# Altium PCB HV_Module_6W.PCBDOC (part 3 of 4) (continued)
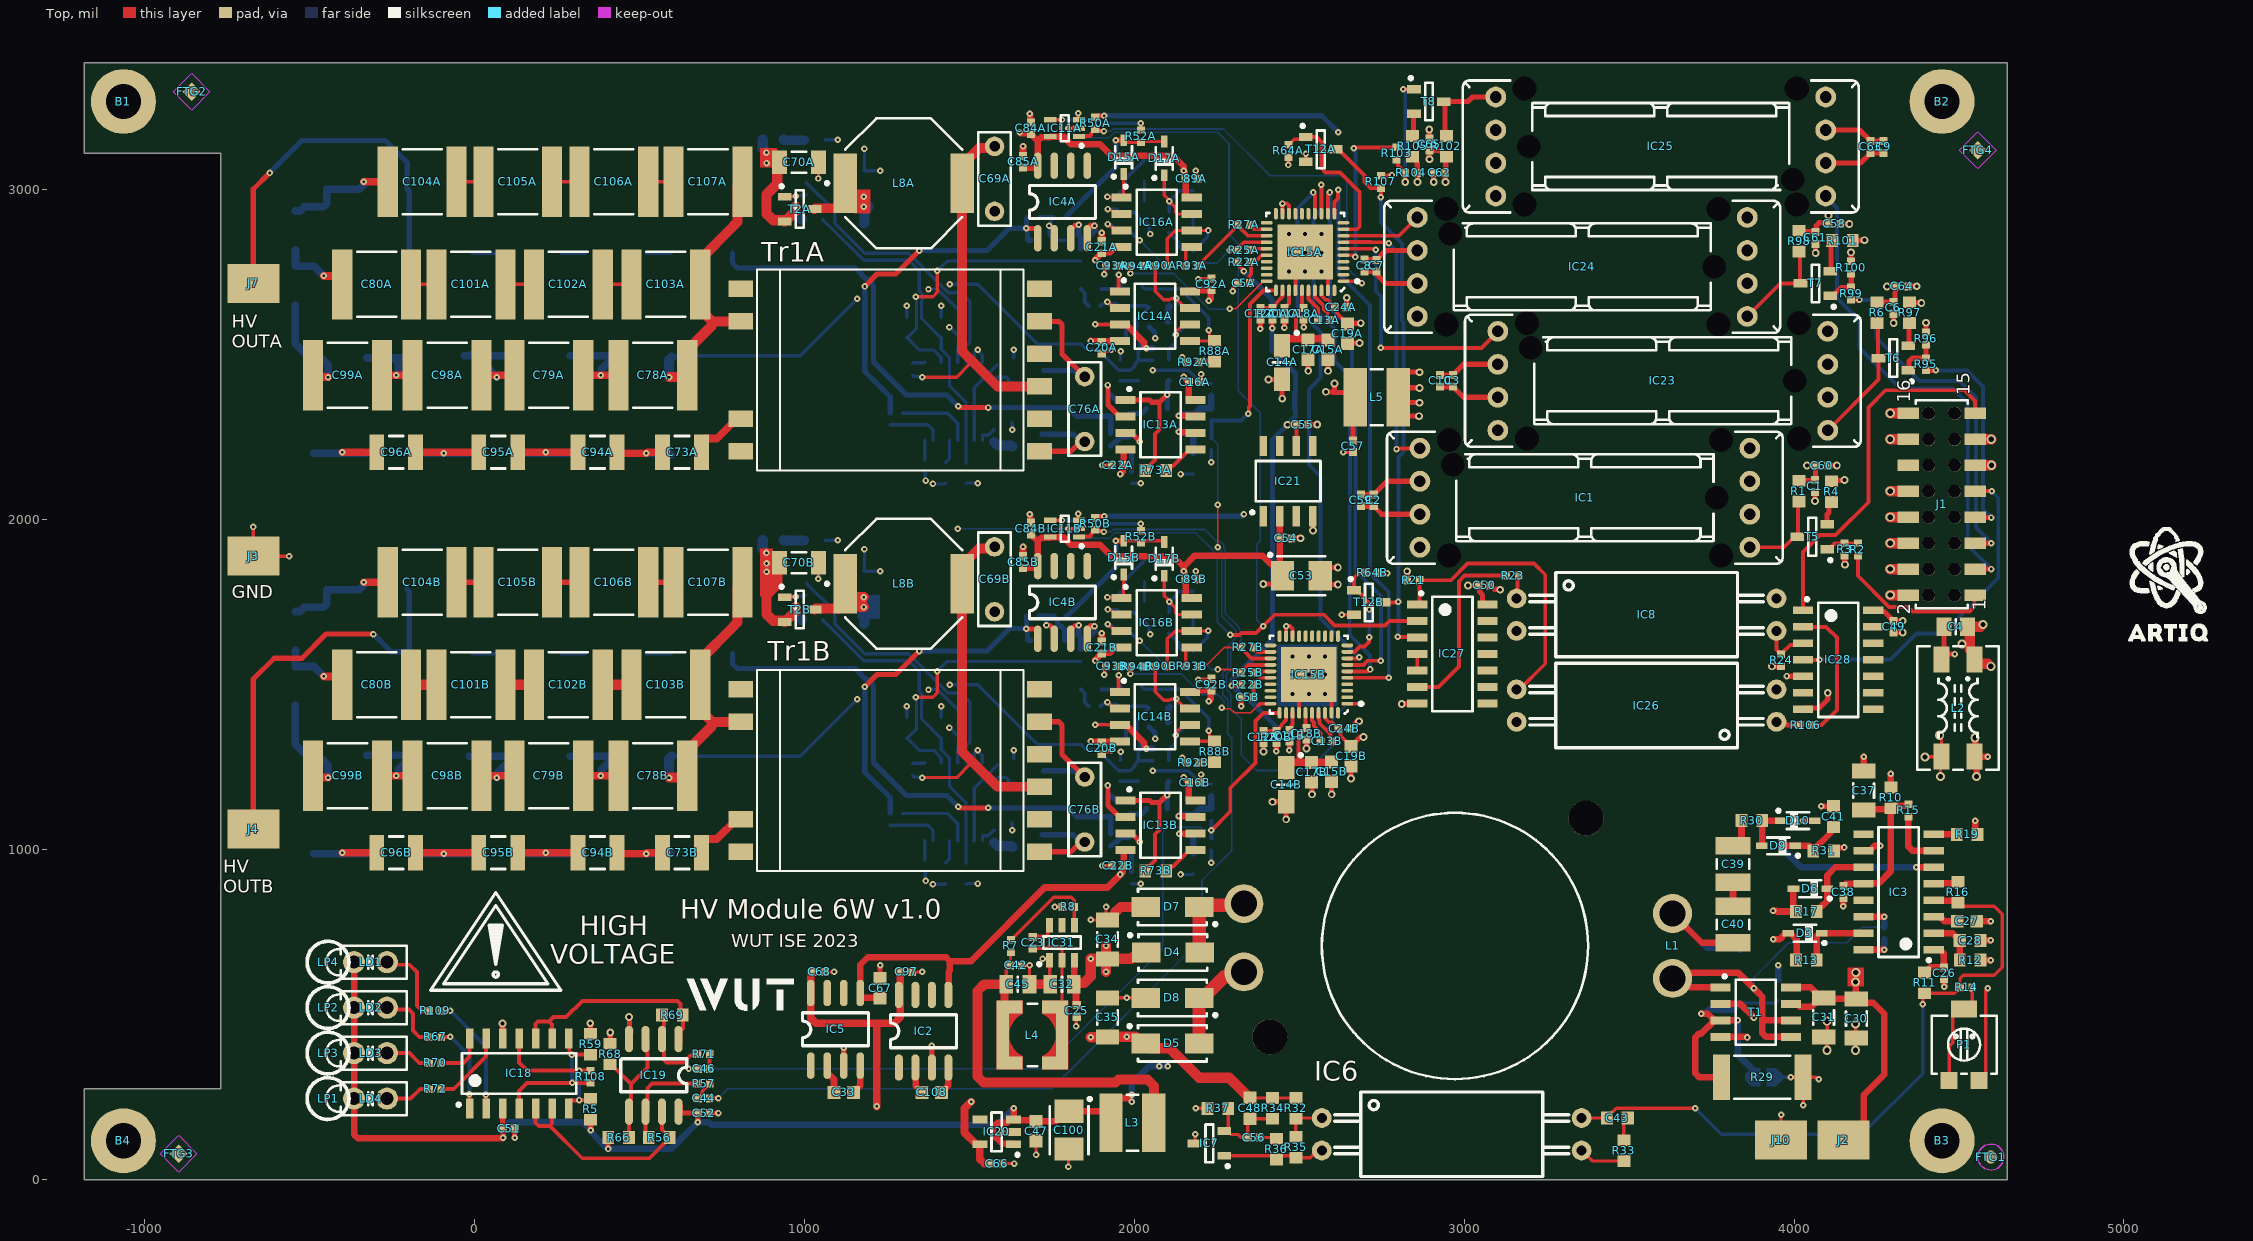
[diagram p0: Top view]
## Nets (pads, with @x,y where several pads share a name; then routed paths per layer and width w, separated by ;. In a path a pad name is that pad's centre, name@x,y a point inside that pad or via, vN(x,y) a via of type N, cw(c..) or ccw(c..) an arc to the next point about the centre after c; other vN are vias at no path point) (continued)
NetC39_2: C39.2 C40.1 | length 72.8
  Top w20: C40.1@3815.13,828.74 C39.2@3815.13,901.57
NetC41_2: C41.2 D9.1 IC3.6 R26.2 R31.2 | length 1111.7
  Top w20: v1(3961.42,1006.97) 3966.1,1011.65 4003.94,1011.65 D9.1@4004.1,1011.81 4004.26,1011.65 4045.6,1011.65 R31.2@4058.24,999.02 ; R31.2@4058.24,997.05 R31.2@4058.24,999.02 ; C41.2@4119.26,1068.9 4118.28,1068.9 4109.57,1060.2 4109.57,1050.35 R31.2@4058.24,999.02 ; v3(4370.08,947.05) IC3.6@4423.39,947.05
  L2 w20: v1(3952.77,649.61) 3952.77,690.35 3984.12,721.7 3984.12,984.26 v1(3961.42,1006.97)
  Bot w20: v1(3952.77,649.61) 3952.77,606.45 R26.2@3952.92,606.3 ; v1(3961.42,1006.97) 4021.34,947.05 v3(4370.08,947.05)
NetC43_1: C43.1 R33.2 | length 71.8
  Top w10: R33.2@3484.25,120.08 3484.25,175.2 C43.1@3496.06,187.01
NetC43_2: C43.2 IC3.4 IC6.4 R11.1 R14.2 R16.2 | length 2070
  Top w10: IC6.4@3356.3,187.01 C43.2@3433.07,187.01 3433.07,187.99 3461.77,216.69 3700.63,216.69 v1(3700.79,216.54) ; v1(4389.76,531.5) 4389.76,558.89 R11.1@4395.83,564.96 4485.99,564.96 4503.12,582.09 R14.2@4503.12,582.87 4503.12,610.24 4512.96,620.08 4606.3,620.08 4630.67,644.45 4630.67,804.37 4606.3,828.74 4508.04,828.74 R16.2@4496.23,840.55 R16.2@4491.54,845.24
  Top w20: IC3.4@4423.39,847.05 4425.2,845.24 R16.2@4491.54,845.24
  Bot w10: v1(3700.79,216.54) 3779.53,137.8 4205.71,137.8 4389.76,321.85 v1(4389.76,531.5)
NetC44_1: C44.1 R57.2 | length 59.8
  Top w10: C44.1@677.68,246.75 690.91,259.98 690.91,267.76 713.9,290.75 R57.2@713.9,291.54
NetC46_1: C46.1 R71.2 | length 45.1
  Top w11.81: C46.1@713.51,336.71 R71.2@713.51,380.71
  Top w15.75: C46.1@713.12,336.32 C46.1@713.51,336.71 ; R71.2@713.51,380.71 R71.2@713.9,381.1
NetC48_1: C48.1 C56.1 IC7.2 R34.1 R37.2 | length 280.8
  Top w10: IC7.2@2273.62,147.64 2278.62,147.64 2285.43,154.45 R37.2@2285.43,216.54 ; IC7.2@2276.12,145.14 2284.98,145.14 2292.71,137.41 2314.41,137.41 2323.14,128.68 2343.76,128.68 C56.1@2344.49,127.95 2344.8,128.27 2344.8,179.12 C48.1@2350.72,185.04 R34.1@2419.62,185.04
NetC56_2: C56.2 R36.1 | length 52.5
  Top w10: C56.2@2379.92,127.95 2427.81,127.95 R36.1@2431.1,124.66
NetC69A_2: C69A.2 L8A.2 R40A.2 Tr1A.3 | length 1171.5
  Top w10: v1(1357.48,2432.48) 1462.09,2432.48 1503.57,2473.96 1516.32,2473.96
  Top w30: C69A.2@1577.2,3131.89 1571.64,3126.33 1530.1,3126.33 1478.77,3075 L8A.2@1478.77,3019.88 1478.77,2511.51 1516.32,2473.96 1585.76,2404.53 Tr1A.3@1713.58,2404.53
  Bot w10: R40A.2@1328.74,2437.67 1332.08,2434.33 1355.63,2434.33 v1(1357.48,2432.48)
NetC69B_2: C69B.2 L8B.2 R40B.2 Tr1B.3 | length 1171.5
  Top w10: v1(1357.48,1218.9) 1462.09,1218.9 1503.57,1260.38 1516.32,1260.38
  Top w30: C69B.2@1577.2,1918.31 1571.64,1912.75 1530.1,1912.75 1478.77,1861.42 L8B.2@1478.77,1806.3 1478.77,1297.93 1516.32,1260.38 1585.76,1190.94 Tr1B.3@1713.58,1190.94
  Bot w10: R40B.2@1328.74,1224.09 1332.08,1220.75 1355.63,1220.75 v1(1357.48,1218.9)
NetC71A_2: C71A.2 R110A.1 | length 64.6
  Bot w30: R110A.1@937.01,3152.56 937.01,3152.13 938.74,3150.39 C71A.2@1000.43,3150.39
NetC71B_2: C71B.2 R110B.1 | length 64.6
  Bot w30: R110B.1@937.01,1938.98 937.01,1938.54 938.74,1936.81 C71B.2@1000.43,1936.81
NetC72A_2: C72A.2 C75A.1 IC10A.3 IC10A.12 R38A.2 | length 1003.2
  Bot w10: R38A.2@1056.1,2911.22 1056.1,2909.25 1068.82,2896.54 1070.79,2896.54 1180.91,2786.42 1317.37,2786.42 1348.7,2755.08 1348.7,2693.73 1358.43,2684.01 1358.43,2667.57 1355.71,2664.85 1355.71,2610.24 1414.57,2551.38 C75A.1@1415.55,2551.38 1415.55,2516.34 1440.55,2491.34 IC10A.12@1440.55,2477.56 1440.55,2406.5 1490.55,2356.5 IC10A.3@1490.55,2241.34 C72A.2@1490.55,2171.85
NetC72B_2: C72B.2 C75B.1 IC10B.3 IC10B.12 R38B.2 | length 1003.2
  Bot w10: R38B.2@1056.1,1697.64 1056.1,1695.67 1068.82,1682.95 1070.79,1682.95 1180.91,1572.83 1317.37,1572.83 1348.7,1541.5 1348.7,1480.14 1358.43,1470.42 1358.43,1453.99 1355.71,1451.27 1355.71,1396.65 1414.57,1337.8 C75B.1@1415.55,1337.8 1415.55,1302.76 1440.55,1277.76 IC10B.12@1440.55,1263.98 1440.55,1192.91 1490.55,1142.91 IC10B.3@1490.55,1027.76 C72B.2@1490.55,958.27
NetC73A_2: C73A.2 C94A.1 D1A.2 D2A.1 D12A.2 D13A.1 | length 293.4
  Top w23.62: C94A.1@433.07,2204.72 436.02,2201.77 v1(522.05,2201.77) 525,2204.72 C73A.2@570.87,2204.72
  Bot w23.62: D12A.2@446.58,2201.77 v1(522.05,2201.77) 592.27,2201.77 D1A.2@597.52,2196.52
NetC73B_2: C73B.2 C94B.1 D1B.2 D2B.1 D12B.2 D13B.1 | length 291.2
  Top w23.62: C94B.1@433.07,991.14 436.02,988.19 v1(522.05,988.19) 525,991.14 C73B.2@570.87,991.14
  Bot w23.62: D12B.2@446.58,988.19 v1(522.05,988.19) D13B.1@597.52,988.19
NetC74A_1: C74A.1 IC10A.8 | length 58.9
  Bot w10: C74A.1@1365.55,2182.48 IC10A.8@1365.55,2241.34
NetC74B_1: C74B.1 IC10B.8 | length 58.9
  Bot w10: C74B.1@1365.55,968.9 IC10B.8@1365.55,1027.76
NetC76A_1: C76A.1 T4A.3 Tr1A.1 | length 287
  Top w15.75: Tr1A.1@1713.58,2207.68 1809.15,2207.68 1838.67,2237.2 C76A.1@1850.39,2237.2
  Bot w15.75: T4A.3@1721.54,2259.18 1816.7,2259.18 1838.67,2237.2 C76A.1@1850.39,2237.2
NetC76A_2: C76A.2 T3A.3 Tr1A.5 | length 391.3
  Top w15.75: Tr1A.5@1713.58,2601.38 1772.46,2601.38 1781.69,2592.15 1781.69,2502.76 C76A.2@1850.39,2434.06
  Bot w15.75: T3A.3@1725.39,2452.95 1819.78,2452.95 1838.67,2434.06 C76A.2@1850.39,2434.06
NetC76B_1: C76B.1 T4B.3 Tr1B.1 | length 287
  Top w15.75: Tr1B.1@1713.58,994.09 1809.15,994.09 1838.67,1023.62 C76B.1@1850.39,1023.62
  Bot w15.75: T4B.3@1721.54,1045.6 1816.7,1045.6 1838.67,1023.62 C76B.1@1850.39,1023.62
NetC76B_2: C76B.2 T3B.3 Tr1B.5 | length 391.3
  Top w15.75: Tr1B.5@1713.58,1387.8 1772.46,1387.8 1781.69,1378.57 1781.69,1289.18 C76B.2@1850.39,1220.47
  Bot w15.75: T3B.3@1725.39,1239.37 1819.78,1239.37 1838.67,1220.47 C76B.2@1850.39,1220.47
NetC77A_2: C77A.2 IC10A.11 R54A.2 | length 863.8
  Top w10: v1(1338.58,2675.79) 1338.98,2676.18 1390.55,2676.18 1403.74,2689.37 v1(1403.74,2755.08)
  Bot w10: C77A.2@1311.02,2551.38 C77A.2@1312.01,2551.38 ; v1(1338.58,2675.79) 1338.58,2673.17 1340.71,2671.04 1340.71,2580.08 C77A.2@1312.01,2551.38 ; v1(1403.74,2755.08) 1433.07,2784.42 R54A.2@1838.58,2784.42 ; IC10A.11@1415.55,2477.56 1415.55,2491.34 1392.21,2514.68 1348.7,2514.68 C77A.2@1312.01,2551.38
NetC77B_2: C77B.2 IC10B.11 R54B.2 | length 863.8
  Top w10: v1(1338.58,1462.2) 1338.98,1462.6 1390.55,1462.6 1403.74,1475.79 v1(1403.74,1541.5)
  Bot w10: C77B.2@1311.02,1337.8 C77B.2@1312.01,1337.8 ; v1(1338.58,1462.2) 1338.58,1459.58 1340.71,1457.46 1340.71,1366.5 C77B.2@1312.01,1337.8 ; v1(1403.74,1541.5) 1433.07,1570.83 R54B.2@1838.58,1570.83 ; IC10B.11@1415.55,1263.98 1415.55,1277.76 1392.21,1301.1 1348.7,1301.1 C77B.2@1312.01,1337.8
NetC78A_1: C78A.1 C82A.2 C103A.1 C107A.1 D1A.1 D13A.2 D16A.1 R89A.2 R119A.2 Tr1A.8 | length 2831.1
  Top w30: v1(590.55,2432.48) 640.16,2432.48 C78A.1@645.67,2437.99 645.67,2513.78 721.46,2589.57 721.46,2601.38 ; Tr1A.8@808.07,2601.38 721.46,2601.38 ; C107A.1@812.99,3024.61 797.48,3009.09 797.48,2903.05 787.4,2892.97 787.4,2891.73 685.04,2789.37 C103A.1@685.04,2713.58 685.04,2637.8 721.46,2601.38
  L2 w10: v1(1161.42,2670.28) 1232.82,2670.28 1287.36,2724.82 1401.85,2724.82 1412.5,2714.17 v1(1441.58,2714.17)
  Bot w10: D1A.1@597.52,2491.8 602.77,2497.05 988.19,2497.05 v1(1161.42,2670.28) ; v1(1441.58,2714.17) 1525.83,2714.17 1707.04,2532.97 1838.58,2532.97 1855.21,2516.34 1890.16,2516.34 1953.08,2453.42 1988.98,2453.42 2001.61,2466.06 2001.61,2471.03 2012.47,2481.89 D16A.1@2012.47,2484.45 ; R119A.2@1986.17,2648.48 2036.82,2648.48 2041.4,2643.9 C82A.2@2045.98,2643.9 2008.27,2606.19 2008.27,2557.32 2017.45,2548.15 2017.45,2515.28 2012.47,2510.3 D16A.1@2012.47,2484.45 ; R89A.2@2057.09,2483.18 2056.45,2483.81 2013.1,2483.81 D16A.1@2012.47,2484.45
  Bot w30: v1(590.55,2432.48) D1A.1@590.55,2484.83 ; D1A.1@590.55,2484.83 D1A.1@597.52,2491.8 D1A.1@590.55,2484.83
NetC78A_2: C78A.2 C79A.1 D2A.2 D12A.1 D19A.2 D25A.1 | length 338.2
  Top w23.62: C79A.1@330.71,2437.99 v1(383.86,2437.99) C78A.2@437.01,2437.99
  Bot w23.62: D19A.2@291.54,2497.05 D2A.2@426.9,2497.05 ; v1(383.86,2437.99) 386.02,2440.16 386.02,2456.17 D2A.2@426.9,2497.05 ; D12A.1@446.58,2497.05 D2A.2@426.9,2497.05
NetC78B_1: C78B.1 C82B.2 C103B.1 C107B.1 D1B.1 D13B.2 D16B.1 R89B.2 R119B.2 Tr1B.8 | length 2824.3
  Top w30: v1(590.55,1218.9) 640.16,1218.9 C78B.1@645.67,1224.41 645.67,1300.2 721.46,1375.98 721.46,1387.8 ; Tr1B.8@808.07,1387.8 721.46,1387.8 ; C107B.1@812.99,1811.02 797.48,1795.51 797.48,1689.47 787.4,1679.39 787.4,1678.15 685.04,1575.79 C103B.1@685.04,1500 685.04,1424.21 721.46,1387.8
  L2 w10: v1(1161.42,1456.69) 1232.82,1456.69 1260.83,1484.7 1348.86,1484.7 1375.39,1511.23 1401.85,1511.23 1412.5,1500.59 v1(1441.58,1500.59)
  Bot w10: D13B.2@597.52,1283.46 988.19,1283.46 v1(1161.42,1456.69) ; v1(1441.58,1500.59) 1525.83,1500.59 1707.04,1319.39 1838.58,1319.39 1855.21,1302.76 1890.16,1302.76 1953.08,1239.84 1988.98,1239.84 2001.61,1252.47 2001.61,1257.45 2012.47,1268.31 D16B.1@2012.47,1270.87 ; R119B.2@1986.17,1434.9 2036.82,1434.9 2041.4,1430.32 C82B.2@2045.98,1430.32 2008.27,1392.61 2008.27,1343.74 2017.45,1334.57 2017.45,1301.69 2012.47,1296.72 D16B.1@2012.47,1270.87 ; R89B.2@2057.09,1269.6 2056.45,1270.23 2013.1,1270.23 D16B.1@2012.47,1270.87
  Bot w30: v1(590.55,1218.9) 590.55,1276.49 D13B.2@597.52,1283.46
NetC78B_2: C78B.2 C79B.1 D2B.2 D12B.1 D19B.2 D25B.1 | length 397.3
  Top w23.62: C79B.1@330.71,1224.41 v1(383.86,1224.41) C78B.2@437.01,1224.41
  Bot w23.62: D19B.2@291.54,1283.46 D2B.2@426.9,1283.46 ; v1(383.86,1224.41) 386.02,1226.57 386.02,1242.59 D2B.2@426.9,1283.46 ; D2B.2@426.9,1283.46 D12B.1@446.58,1283.46 ; D2B.2@426.9,1283.46 D12B.1@446.58,1283.46 ; D2B.2@426.9,1283.46 D12B.1@446.58,1283.46 ; D2B.2@426.9,1283.46 D12B.1@446.58,1283.46
NetC79A_2: C79A.2 C98A.1 D20A.1 D21A.2 D26A.2 D27A.1 | length 380.1
  Top w23.62: C98A.1@22.19,2437.99 C79A.2@122.05,2437.99
  Bot w23.62: D21A.2@-13.78,2497.05 -29.53,2497.05 D27A.1@-9.84,2497.05 ; D27A.1@-9.84,2500 2.95,2500 45.63,2457.33 45.63,2455.75 v1(68.9,2432.48) ; D27A.1@2.95,2497.05 D20A.1@140.11,2497.05
NetC79B_2: C79B.2 C98B.1 D20B.1 D21B.2 D26B.2 D27B.1 | length 339.7
  Top w23.62: C98B.1@22.19,1224.41 C79B.2@122.05,1224.41
  Bot w23.62: D21B.2@-13.78,1283.46 D26B.2@120.43,1283.46 ; v1(68.9,1218.9) 68.9,1231.93 D26B.2@120.43,1283.46 ; D20B.1@140.11,1283.46 D26B.2@120.43,1283.46
NetC80A_1: C80A.1 C101A.2 | length 76.8
  Top w10: C80A.1@-190.94,2713.58 C101A.2@-114.17,2713.58
NetC80A_2: C80A.2 R41A.2 R42A.1 | length 219.3
  Top w23.62: v1(-455.71,2739.17) -418.31,2739.17 -399.61,2720.47 C80A.2@-399.61,2713.58
  Bot w23.62: R42A.1@-541.34,2817.91 -541.87,2817.38 -541.87,2769.24 R41A.2@-542.41,2768.7 -485.24,2768.7 v1(-455.71,2739.17)
NetC80B_1: C80B.1 C101B.2 | length 76.8
  Top w31.5: C80B.1@-190.94,1500 C101B.2@-114.17,1500
NetC80B_2: C80B.2 R41B.2 R42B.1 | length 219.3
  Top w23.62: v1(-455.71,1525.59) -418.31,1525.59 -399.61,1506.89 C80B.2@-399.61,1500
  Bot w23.62: R42B.1@-541.34,1604.33 -541.87,1603.8 -541.87,1555.65 R41B.2@-542.41,1555.12 -485.24,1555.12 v1(-455.71,1525.59)
NetC81A_2: C81A.2 IC10A.5 | length 71.7
  Bot w10: C81A.2@1429.13,2174.41 1440.55,2185.83 IC10A.5@1440.55,2241.34
NetC81B_2: C81B.2 IC10B.5 | length 71.7
  Bot w10: C81B.2@1429.13,960.83 1440.55,972.24 IC10B.5@1440.55,1027.76
NetC86A_1: C86A.1 C87A.1 D15A.1 IC16A.1 | length 289.2
  Top w10: v1(1919.29,2979.13) 1920.57,2977.85 1960.92,2977.85 IC16A.1@1962.2,2976.57 1968.11,2982.48 D15A.1@1968.11,3048.03
  Bot w10: v1(1919.29,2979.13) 1921.91,2979.13 1923.96,2981.18 1944.57,2981.18 C87A.1@1958.27,2994.88 1959.25,2994.88 1972.95,3008.58 1972.95,3031.95 2030.31,3089.32 C86A.1@2031.3,3089.32
NetC86A_2: C86A.2 R62A.1 | length 59.8
  Bot w10: R62A.1@2031.3,2966.54 C86A.2@2031.3,3026.32
NetC86B_1: C86B.1 C87B.1 D15B.1 IC16B.1 | length 289.2
  Top w10: v1(1919.29,1765.55) 1920.57,1764.27 1960.92,1764.27 IC16B.1@1962.2,1762.99 1968.11,1768.9 D15B.1@1968.11,1834.45
  Bot w10: v1(1919.29,1765.55) 1921.91,1765.55 1923.96,1767.6 1944.57,1767.6 C87B.1@1958.27,1781.3 1959.25,1781.3 1972.95,1795 1972.95,1818.37 2030.31,1875.73 C86B.1@2031.3,1875.73
NetC86B_2: C86B.2 R62B.1 | length 59.8
  Bot w10: R62B.1@2031.3,1752.95 C86B.2@2031.3,1812.74
NetC87A_2: C87A.2 IC16A.2 R62A.2 R65A.1 | length 835.9
  Top w10: v1(1920.47,2941.93) 1922.33,2940.08 1930,2940.08 1943.5,2926.57 IC16A.2@1962.2,2926.57
  L2 w10: v1(2048.94,2866.26) 2048.94,2665.04 2044.13,2660.23 2044.13,2541.51 2057.29,2528.35 2057.29,2511.91 2056.45,2511.08 v1(2056.45,2452.95)
  Bot w10: v1(1920.47,2941.93) 1948.23,2941.93 C87A.2@1958.27,2931.89 2000.98,2931.89 2029.33,2903.54 R62A.2@2031.3,2903.54 2033.27,2903.54 2045.98,2890.83 2045.98,2871.84 2048.94,2868.88 v1(2048.94,2866.26) ; v1(2056.45,2452.95) 2163.46,2452.95 2203.22,2413.19 R65A.1@2234.25,2413.19
NetC87B_2: C87B.2 IC16B.2 R62B.2 R65B.1 | length 856.2
  Top w10: v1(1920.47,1728.35) 1922.33,1726.49 1930,1726.49 1943.5,1712.99 IC16B.2@1962.2,1712.99
  L2 w10: v1(2048.94,1652.68) 2048.94,1445.35 2086.61,1407.67 2086.61,1269.53 v1(2056.45,1239.37)
  Bot w10: v1(1920.47,1728.35) 1948.23,1728.35 C87B.2@1958.27,1718.31 2000.98,1718.31 2029.33,1689.96 R62B.2@2031.3,1689.96 2033.27,1689.96 2045.98,1677.24 2045.98,1658.26 2048.94,1655.3 v1(2048.94,1652.68) ; v1(2056.45,1239.37) 2163.46,1239.37 2203.22,1199.61 R65B.1@2234.25,1199.61
NetC90A_1: C90A.1 C91A.1 D17A.1 IC16A.7 | length 296.4
  Top w10: D17A.1@2091.14,3044.09 2091.14,2983.19 2106.1,2968.23 v1(2106.1,2965.61) 2125.98,2945.73 2125.98,2932.43 2131.84,2926.57 IC16A.7@2174.8,2926.57
  Bot w10: C91A.1@2105.12,2932.68 2106.1,2933.66 v1(2106.1,2965.61) 2137.6,2997.11 C90A.1@2178.74,2997.11
NetC90A_2: C90A.2 R84A.1 | length 57.2
  Bot w10: C90A.2@2177.3,2932.68 C90A.2@2178.74,2934.12 R84A.1@2178.74,2878.94
NetC90B_1: C90B.1 C91B.1 D17B.1 IC16B.7 | length 296.4
  Top w10: D17B.1@2091.14,1830.51 2091.14,1769.61 2106.1,1754.65 v1(2106.1,1752.03) 2125.98,1732.15 2125.98,1718.85 2131.84,1712.99 IC16B.7@2174.8,1712.99
  Bot w10: C91B.1@2105.12,1719.09 2106.1,1720.08 v1(2106.1,1752.03) 2137.6,1783.52 C90B.1@2178.74,1783.52
NetC90B_2: C90B.2 R84B.1 | length 57.2
  Bot w10: C90B.2@2177.3,1719.09 C90B.2@2178.74,1720.53 R84B.1@2178.74,1665.35
NetC91A_2: C91A.2 IC16A.6 R84A.2 R90A.1 | length 401.5
  Top w10: R90A.1@2100.79,2769.69 2100.79,2852.57 2124.79,2876.57 IC16A.6@2174.8,2876.57 2175,2876.77 2224.21,2876.77 v1(2224.41,2876.97)
  Bot w10: C91A.2@2105.12,2869.69 2106.1,2869.69 2134.92,2840.87 2134.92,2827.28 2140.78,2821.42 2173.26,2821.42 R84A.2@2178.74,2815.94 2180.71,2815.94 2222.56,2857.79 2222.56,2875.12 v1(2224.41,2876.97)
NetC91B_2: C91B.2 IC16B.6 R84B.2 R90B.1 | length 401.5
  Top w10: R90B.1@2100.79,1556.1 2100.79,1638.99 2124.79,1662.99 IC16B.6@2174.8,1662.99 2175,1663.19 2224.21,1663.19 v1(2224.41,1663.39)
  Bot w10: C91B.2@2105.12,1656.1 2106.1,1656.1 2134.92,1627.28 2134.92,1613.7 2140.78,1607.84 2173.26,1607.84 R84B.2@2178.74,1602.36 2180.71,1602.36 2222.56,1644.21 2222.56,1661.53 v1(2224.41,1663.39)
NetC94A_2: C94A.2 C95A.1 D19A.1 D20A.2 D25A.2 D26A.1 | length 334.3
  Top w23.62: C95A.1@132.07,2204.72 v1(216.54,2204.72) C94A.2@314.96,2204.72
  Bot w23.62: D20A.2@140.11,2201.77 D19A.1@291.54,2201.77
NetC94B_2: C94B.2 C95B.1 D19B.1 D20B.2 D25B.2 D26B.1 | length 337.3
  Top w23.62: C95B.1@132.07,991.14 v1(216.54,991.14) C94B.2@314.96,991.14
  Bot w23.62: D20B.2@140.11,988.19 v1@216.54,988.19 ; v1(216.54,991.14) v1@216.54,988.19 ; D19B.1@291.54,988.19 v1@216.54,988.19
NetC95A_2: C95A.2 C96A.1 D21A.1 D22A.2 D27A.2 D28A.1 | length 348.6
  Top w23.62: C96A.1@-177.17,2204.72 C95A.2@13.96,2204.72
  Bot w23.62: D22A.2@-171.26,2201.77 v1(-92.52,2201.77) D21A.1@-13.78,2201.77
NetC95B_2: C95B.2 C96B.1 D21B.1 D22B.2 D27B.2 D28B.1 | length 348.6
  Top w23.62: C96B.1@-177.17,991.14 C95B.2@13.96,991.14
  Bot w23.62: D22B.2@-171.26,988.19 v1(-92.52,988.19) D21B.1@-13.78,988.19
NetC96A_2: C96A.2 D23A.1 D24A.2 D29A.2 D30A.1 | length 269.9
  Top w23.62: v1(-399.61,2204.72) C96A.2@-295.28,2204.72
  Bot w23.62: D24A.2@-486.22,2201.77 v1@-399.61,2201.77 ; v1(-399.61,2204.72) v1@-399.61,2201.77 ; D23A.1@-324.8,2204.72 -327.76,2201.77 v1@-399.61,2201.77
NetC96B_2: C96B.2 D23B.1 D24B.2 D29B.2 D30B.1 | length 267
  Top w23.62: v1(-399.61,991.14) C96B.2@-295.28,991.14
  Bot w23.62: D24B.2@-486.22,988.19 -327.76,988.19 D23B.1@-324.8,991.14
NetC98A_2: C98A.2 C99A.1 D22A.1 D23A.2 D28A.2 D29A.1 | length 315
  Top w23.62: C99A.1@-279.53,2437.99 v1(-236.22,2437.99) C98A.2@-186.47,2437.99
  Bot w23.62: D29A.1@-324.8,2490.16 -314.96,2490.16 -244.15,2490.16 ; v1(-236.22,2437.99) -230.32,2443.9 -230.32,2476.32 -244.15,2490.16 ; D28A.2@-167.32,2500 -187.01,2500 -196.85,2490.16 -244.15,2490.16
NetC98B_2: C98B.2 C99B.1 D22B.1 D23B.2 D28B.2 D29B.1 | length 345.3
  Top w23.62: C99B.1@-279.53,1224.41 v1(-236.22,1224.41) C98B.2@-186.47,1224.41
  Bot w23.62: D23B.2@-324.8,1286.42 -174.21,1286.42 D22B.1@-171.26,1283.46 -190.94,1283.46 -230.32,1244.09 -230.32,1230.31 v1(-236.22,1224.41)
NetC99A_2: C99A.2 D24A.1 D30A.2 R41A.1 | length 327.6
  Top w23.62: C99A.2@-488.19,2437.99 -482.68,2432.48 v1(-442.91,2432.48)
  Bot w23.62: R41A.1@-542.41,2650.59 -542.41,2533.55 -505.91,2497.05 D24A.1@-486.22,2497.05 -470.47,2497.05 -442.91,2469.49 v1(-442.91,2432.48)
NetC99B_2: C99B.2 D24B.1 D30B.2 R41B.1 | length 327.6
  Top w23.62: C99B.2@-488.19,1224.41 -482.68,1218.9 v1(-442.91,1218.9)
  Bot w23.62: R41B.1@-542.41,1437.01 -542.41,1319.97 -505.91,1283.46 D24B.1@-486.22,1283.46 -470.47,1283.46 -442.91,1255.91 v1(-442.91,1218.9)
NetC101A_1: C101A.1 C102A.2 | length 86.6
  Top w10: C101A.1@94.49,2713.58 C102A.2@181.1,2713.58
NetC101B_1: C101B.1 C102B.2 | length 86.6
  Top w31.5: C101B.1@94.49,1500 C102B.2@181.1,1500
NetC102A_1: C102A.1 C103A.2 | length 86.6
  Top w10: C102A.1@389.76,2713.58 C103A.2@476.38,2713.58
NetC102B_1: C102B.1 C103B.2 | length 86.6
  Top w31.5: C102B.1@389.76,1500 C103B.2@476.38,1500
NetC104A_1: C104A.1 C105A.2 | length 80.9
  Top w10: C104A.1@-53.15,3024.61 C105A.2@27.74,3024.61
NetC104A_2: C104A.2 R42A.2 R43A.1 | length 347.3
  Top w23.62: v1(-334.65,3024.61) C104A.2@-261.81,3024.61
  Bot w23.62: R42A.2@-541.34,2936.02 -527.56,2936.02 -514.76,2948.82 -455.71,2948.82 -446.85,2957.68 R43A.1@-446.85,3001.97 -348.48,3001.97 -334.65,3015.81 v1(-334.65,3024.61)
NetC104B_1: C104B.1 C105B.2 | length 80.9
  Top w15.75: C104B.1@-53.15,1811.02 C105B.2@27.74,1811.02
NetC104B_2: C104B.2 R42B.2 R43B.1 | length 347.3
  Top w23.62: v1(-334.65,1811.02) C104B.2@-261.81,1811.02
  Bot w23.62: R42B.2@-541.34,1722.44 -527.56,1722.44 -514.76,1735.24 -455.71,1735.24 -446.85,1744.09 R43B.1@-446.85,1788.39 -348.48,1788.39 -334.65,1802.22 v1(-334.65,1811.02)
NetC105A_1: C105A.1 C106A.2 | length 82.5
  Top w10: C105A.1@236.4,3024.61 C106A.2@318.9,3024.61
NetC105B_1: C105B.1 C106B.2 | length 82.5
  Top w15.75: C105B.1@236.4,1811.02 C106B.2@318.9,1811.02
NetC106A_1: C106A.1 C107A.2 | length 90.7
  Top w10: C106A.1@527.56,3024.61 594.49,3024.61 604.33,3034.45 C107A.2@604.33,3024.61
NetC106B_1: C106B.1 C107B.2 | length 76.8
  Top w15.75: C106B.1@527.56,1811.02 C107B.2@604.33,1811.02
NetC108_1: C108.1 IC2.4 | length 83.7
  Top w20: C108.1@1416.54,264.94 1436.24,284.65 1436.24,339.36 IC2.4@1437.01,340.13
NetC108_2: C108.2 IC2.2 | length 83.7
  Top w20: IC2.2@1337.01,340.13 1337.77,339.36 1337.77,284.65 C108.2@1357.48,264.94
NetD3_1: D3.1 IC3.15 R13.1 | length 218.9
  Top w20: R13.1@4069.06,665.35 4069.06,739.25 4076.86,747.05 D3.1@4084.42,747.05 IC3.15@4210.8,747.05
NetD3_2: D3.2 R13.2 T1.2 | length 531.3
  Top w20: T1.2@3777.72,532.87 3838.24,532.87 3878.71,492.4 v1(3878.71,491.06) ; v1(3936.85,728.35) 3955.8,728.35 3974.5,747.05 D3.2@3982.06,747.05 3989.62,747.05 4008.32,728.35 4008.32,667.6 R13.2@4006.07,665.35
  L2 w20: v1(3878.71,491.06) 3903.55,515.91 3903.55,695.05 v1(3936.85,728.35)
NetD4_2: D4.2 D7.1 L9.2 | length 278.4
  Top w40: D4.2@2198.52,688.98 2197.69,689.81 2197.69,825.93 D7.1@2196.85,826.77 2201.77,831.69 2327.76,831.69 L9.2@2332.68,836.61
NetD5_2: D5.2 D8.1 L9.1 | length 306.2
  Top w40: D5.2@2196.85,413.39 D8.1@2196.85,551.18 2209.65,551.18 2273.44,614.98 2317.73,614.98 L9.1@2332.68,629.92
NetD6_1: D6.1 IC3.11 R17.1 | length 244.1
  Top w20: R17.1@4069.06,812.99 4069.06,814.96 4086.87,832.77 4088.84,832.77 4100.56,844.49 D6.1@4100.56,881.89 4100.56,922.41 4125.2,947.05 IC3.11@4210.8,947.05
NetD6_2: D6.2 R17.2 T1.4 | length 631.6
  Top w20: T1.4@3777.72,432.87 3856.59,432.87 v1(3858.27,431.2) ; v1(3936.42,815.59) 3946.85,815.59 3949.44,812.99 3998.2,812.99 R17.2@4006.07,812.99 ; R17.2@3998.2,822.83 D6.2@3998.2,881.89
  L2 w20: v1(3858.27,431.2) 3853.71,435.76 3853.71,680.56 3887.8,714.65 3887.8,756.53 3936.42,805.15 v1(3936.42,815.59)
NetD9_2: D9.2 D10.1 R30.2 | length 135.7
  Top w20: D9.2@3901.74,1011.81 3903.55,1011.81 3903.71,1011.97 R30.2@3903.71,1088.58 D10.1@3960.8,1088.58
NetD11A_1: D11A.1 L8A.1 T2A.3 | length 357.2
  Top w30: T2A.3@1031.92,2941.73 1034.52,2944.33 1104.01,2944.33 1124.44,2964.76 L8A.1@1124.44,2986.97 ; L8A.1@1144.87,3000.92 L8A.1@1124.44,3019.88 1124.44,2988.67 1133.97,2979.13 1165.98,2979.13 ; L8A.1@1151.48,2980.96 1151.43,2980.2 1151.43,2979.28 1151.43,2966.85 1160.22,2958.06
  Bot w30: v1(1180.91,2979.13) v1(1180.91,2949.28) 1195.87,2949.28 1182.63,2936.04 1182.63,2899.95 D11A.1@1181.1,2898.43
NetD11B_1: D11B.1 L8B.1 T2B.3 | length 411
  Top w30: T2B.3@1031.92,1728.15 1034.52,1730.75 1104.01,1730.75 1124.44,1751.18 L8B.1@1124.44,1773.39 ; L8B.1@1144.87,1787.33 L8B.1@1124.44,1806.3 1124.44,1775.08 1133.97,1765.55 1165.98,1765.55 ; L8B.1@1151.43,1765.55 1165.98,1765.55 ; L8B.1@1151.48,1767.38 1151.43,1766.62 1151.43,1765.69 1151.43,1753.26 1160.22,1744.48 ; 1160.25,1744.44 1169.01,1735.69 v1(1180.91,1735.7) ; v1(1180.91,1765.55) 1165.98,1765.55
  Bot w30: v1(1180.91,1765.55) v1(1180.91,1735.7) 1195.87,1735.7 1182.63,1722.46 1182.63,1686.37 D11B.1@1181.1,1684.84
NetD14A_1: D14A.1 IC4A.1 R49A.1 R51A.1 | length 1121.4
  Top w15.75: v1(1183.5,2707.28) 1220.9,2744.69 1277.45,2744.69 v1(1348.7,2815.94) ; v1(1673.23,2883.97) 1674.27,2882.93 1704.26,2882.93 1708.07,2879.11 IC4A.1@1708.07,2853.35
  Bot w15.75: v1(1183.5,2707.28) 1183.5,2680.32 1184.13,2679.69 1184.13,2660.87 1183.5,2660.23 1183.5,2449.5 1260.83,2372.17 R49A.1@1260.83,2324.8 ; v1(1348.7,2815.94) 1554.25,2815.94 1622.27,2883.97 v1(1673.23,2883.97) ; R51A.1@1676.8,2916.34 1673.98,2913.52 1673.98,2884.72 v1(1673.23,2883.97) ; D14A.1@1687.2,2847.44 1679.33,2847.44 1677.36,2849.41 1677.36,2878.77 1673.23,2882.9 v1(1673.23,2883.97)
NetD14A_2: D14A.2 IC4A.2 R51A.2 R53A.1 | length 154.6
  Bot w10: R53A.1@1755.54,2916.34 1749.13,2909.92 1749.13,2900.45 1742.13,2893.45 v1(1742.13,2890.83) 1742.13,2862.83 1757.51,2847.44 D14A.2@1789.57,2847.44
  Bot w15.75: R51A.2@1713.81,2916.34 R53A.1@1755.54,2916.34
NetD14B_1: D14B.1 IC4B.1 R49B.1 R51B.1 | length 1125.9
  Top w15.75: v1(1183.5,1493.7) 1220.9,1531.1 1277.45,1531.1 v1(1348.7,1602.36) ; v1(1673.23,1670.39) 1674.27,1669.34 1704.26,1669.34 1708.07,1665.53 IC4B.1@1708.07,1639.76
  Bot w15.75: v1(1183.5,1493.7) 1183.5,1466.74 1184.13,1466.1 1184.13,1447.28 1183.5,1446.65 1183.5,1235.91 1260.83,1158.58 R49B.1@1260.83,1111.22 ; v1(1348.7,1602.36) 1554.25,1602.36 1622.27,1670.39 v1(1673.23,1670.39) ; R51B.1@1674.41,1708.32 1673.82,1707.73 1673.82,1670.98 v1(1673.23,1670.39) ; D14B.1@1687.2,1633.86 1679.33,1633.86 1677.36,1635.83 1677.36,1665.19 1673.23,1669.32 v1(1673.23,1670.39)
NetD14B_2: D14B.2 IC4B.2 R51B.2 R53B.1 | length 206.8
  Top w15.75: 1744.21,1679.39 1758.07,1665.53 IC4B.2@1758.07,1639.76
  Bot w15.75: R51B.2@1711.42,1708.32 1711.81,1707.92 1735.59,1707.92 ; v1(1734.47,1680.89) 1734.47,1706.41 1735.59,1707.53 R53B.1@1757.3,1707.53 ; R53B.1@1757.3,1706.74 1768.26,1695.78 1768.26,1685.22 1775.8,1677.68 1779.21,1677.68 1789.57,1667.32 D14B.2@1789.57,1633.86
NetD15A_2: D15A.2 D17A.2 R52A.2 R53A.2 | length 448.4
  Top w10: D15A.2@1968.11,3150.39 1968.11,3148.74 1972.95,3143.9 R52A.2@2020.28,3143.9 2022.83,3146.46 D17A.2@2091.14,3146.46
  Top w15.75: v1(1944.49,3150.39) D15A.2@1968.11,3150.39
  Bot w15.75: R53A.2@1792.55,2916.34 1792.55,2917.13 1944.49,3069.06 v1(1944.49,3150.39)
NetD15B_2: D15B.2 D17B.2 R52B.2 R53B.2 | length 442
  Top w10: D15B.2@1968.11,1936.81 2087.2,1936.81 D17B.2@2091.14,1932.87
  Top w15.75: v1(1944.49,1936.81) D15B.2@1968.11,1936.81
  Bot w15.75: R53B.2@1794.31,1707.53 1795.42,1706.41 1944.49,1855.48 v1(1944.49,1936.81)
NetD16A_2: D16A.2 D18A.2 | length 54.2
  Bot w10: D18A.2@1958.27,2421.46 D16A.2@2012.47,2421.46
NetD16B_2: D16B.2 D18B.2 | length 54.2
  Bot w10: D18B.2@1958.27,1207.87 D16B.2@2012.47,1207.87
NetIC1_1: IC1.1 R1.1 T5.3 | length 265.3
  Top w11.81: IC1.1@3866.14,1916.93 3970.08,1916.93 4001.97,1948.82 T5.3@4009.84,1948.82 4012.2,1951.18 4012.2,2052.92 R1.1@4014.57,2055.28
NetIC3_5: IC3.5 R16.1 | length 75.5
  Top w20: IC3.5@4423.39,897.05 4425.2,898.86 4491.54,898.86 R16.1@4496.23,903.54
NetIC3_7: IC3.7 R15.2 | length 173.2
  Top w20: R15.2@4346.62,1100.79 4346.62,1009.53 4359.11,997.05 IC3.7@4423.39,997.05
NetIC3_8: IC3.8 R19.2 | length 69.7
  Top w20: IC3.8@4423.39,1047.05 R19.2@4493.08,1047.05
NetIC4A_3: IC4A.3 R54A.1 R55A.1 | length 133.1
  Top w15.75: IC4A.3@1808.07,2853.35 1808.07,2879.11 1821.93,2892.97 1832.12,2892.97 v1(1832.87,2893.72)
  Bot w15.75: v1(1832.87,2893.72) 1832.12,2892.97 1832.12,2866.26 R55A.1@1830.71,2864.85 1830.71,2864.06 1838.58,2856.19 R54A.1@1838.58,2821.42
NetIC4B_3: IC4B.3 R54B.1 R55B.1 | length 133.1
  Top w15.75: IC4B.3@1808.07,1639.76 1808.07,1665.53 1821.93,1679.39 1832.12,1679.39 v1(1832.87,1680.14)
  Bot w15.75: v1(1832.87,1680.14) 1832.12,1679.39 1832.12,1652.68 R55B.1@1830.71,1651.27 1830.71,1650.48 1838.58,1642.6 R54B.1@1838.58,1607.84
NetIC6_1: IC6.1 R32.1 R35.2 | length 134.7
  Top w10: R35.2@2490.16,129.92 R32.1@2490.16,185.04 2492.13,187.01 IC6.1@2568.9,187.01
NetIC6_2: IC6.2 IC7.1 R35.1 R36.2 | length 306.7
  Top w10: IC7.1@2273.62,72.83 2484.25,72.83 R35.1@2490.16,66.93 2533.71,66.93 2555.37,88.58 IC6.2@2568.9,88.58